# KiCad board VFDSAO.kicad_pcb
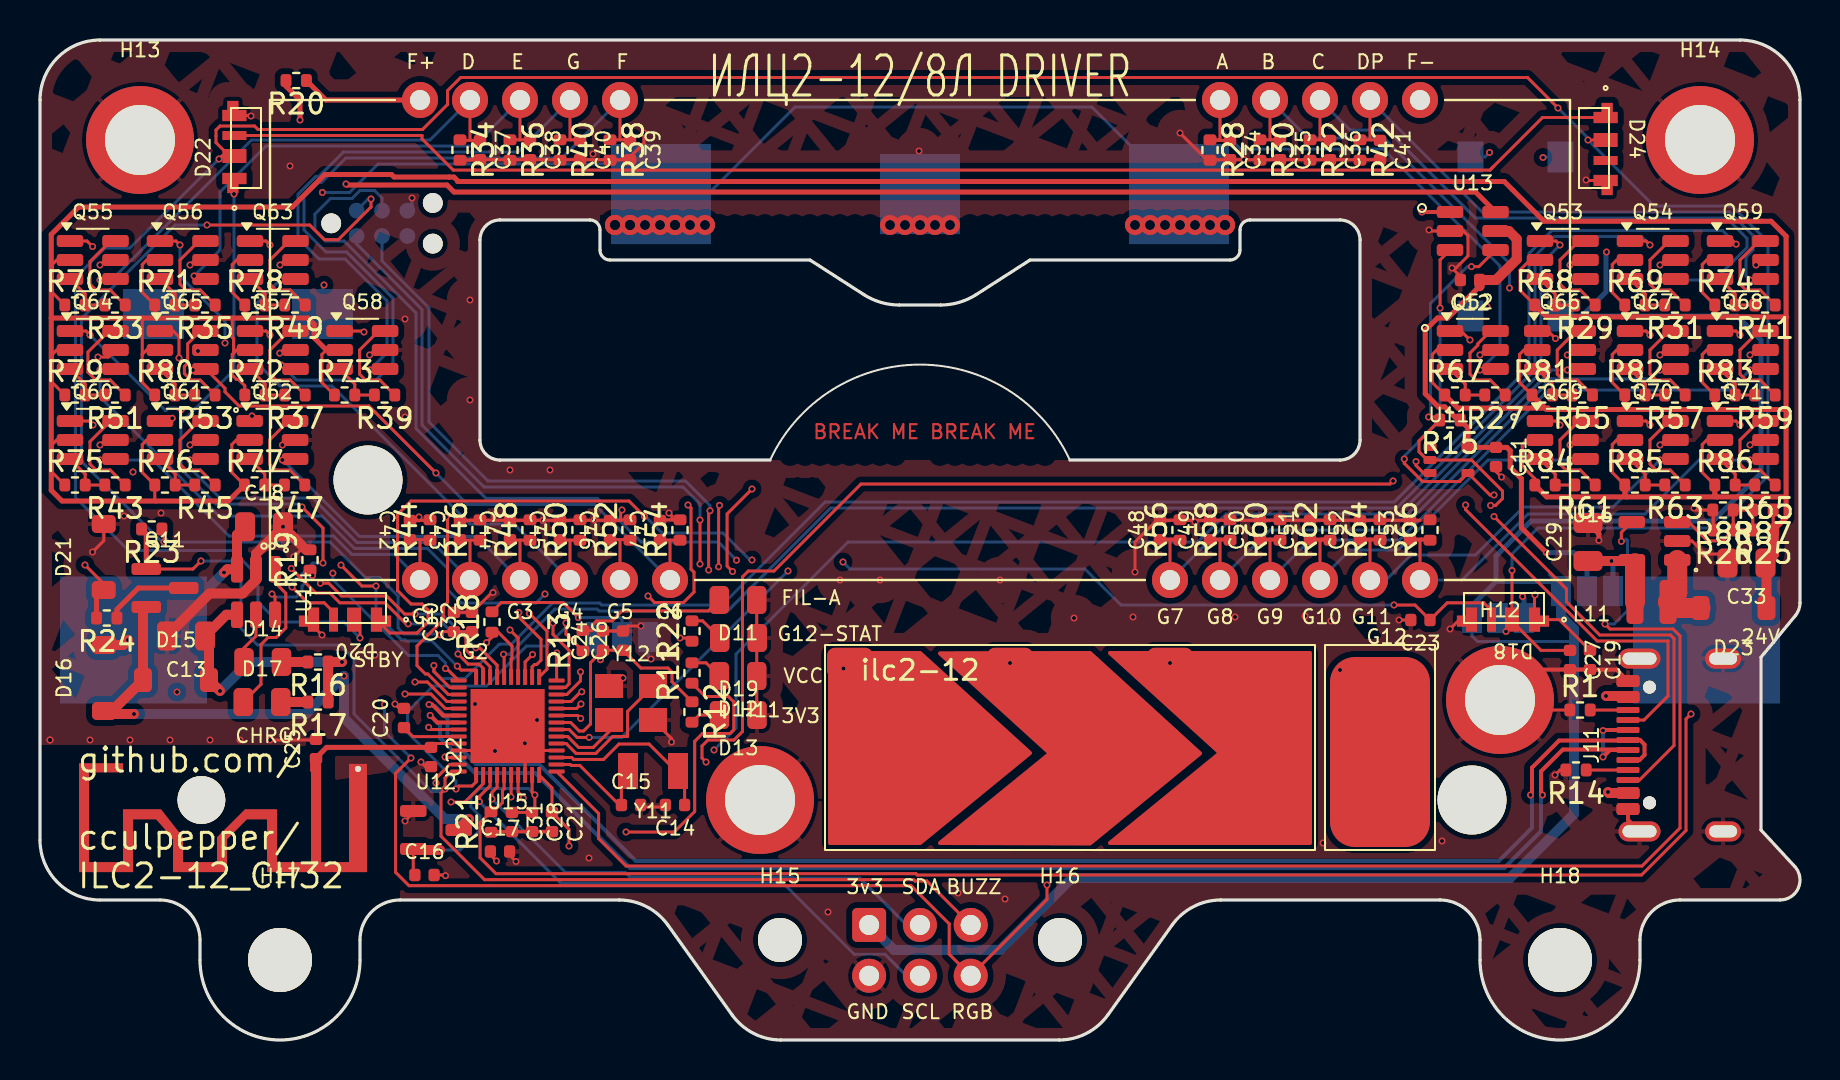
[diagram p0: board, top side]
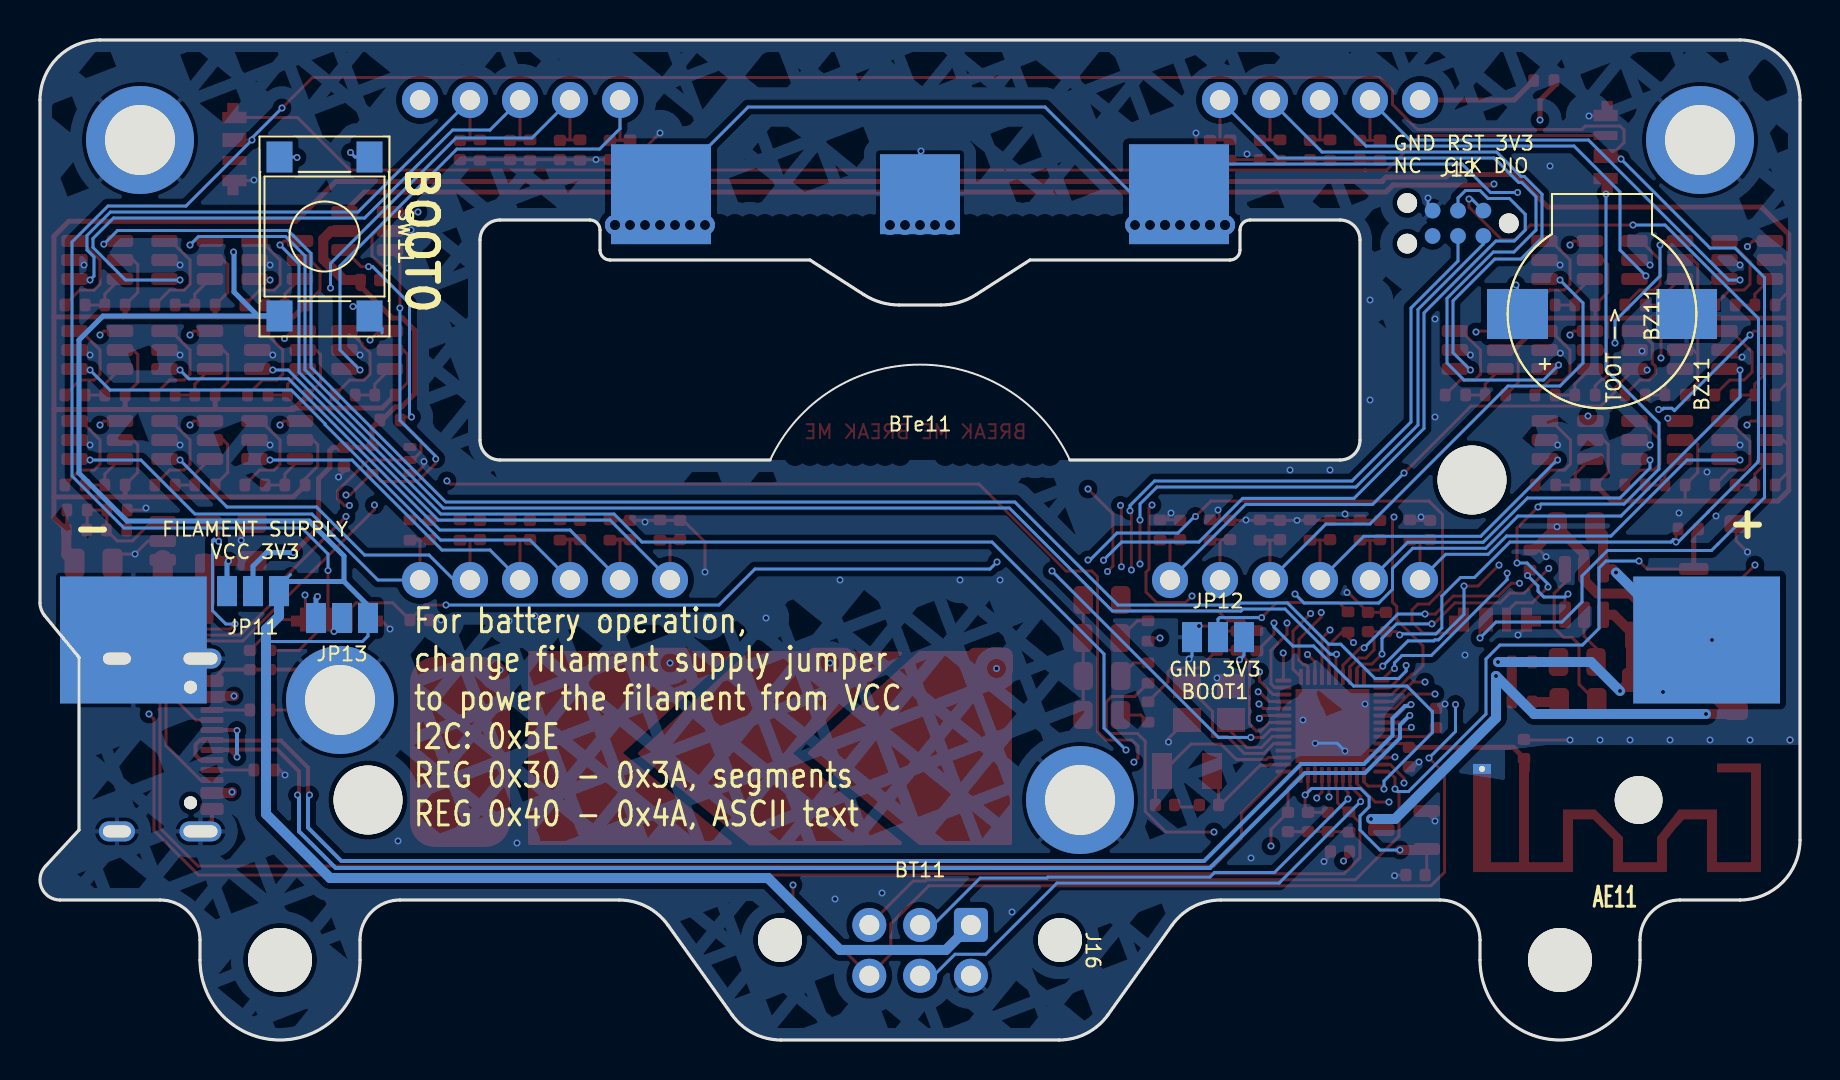
[diagram p1: board, bottom side, seen from below]

Outline 88 x 50 mm; copper layers: Top, In1.Cu, In2.Cu, Bottom. Coordinates in mm from the lower left corner of the outline.
Outline path: 0,47 0,10 arc(0.88,7.88) 3,7 6,7 arc(7.41,6.41) 8,5 8,4 arc(12,0) 16,4 16,5 arc(16.59,6.41) 18,7 28.96,7 arc(30.33,6.67) 31.4,5.74 34.6,1.26 arc(35.67,0.33) 37.04,0 50.96,0 arc(52.33,0.33) 53.4,1.26 56.6,5.74 arc(57.67,6.67) 59.04,7 70,7 arc(71.41,6.41) 72,5 72,4 arc(76,0) 80,4 80,5 arc(80.59,6.41) 82,7 87,7 arc(87.92,7.6) 87.73,8.68 86.05,10.5 86.05,19.14 87.77,21.22 arc(87.94,21.52) 88,21.86 88,47 arc(87.12,49.12) 85,50 3,50 arc(0.88,49.12) 0,47 ; 22,40 arc(22.29,40.71) 23,41 27.5,41 arc(27.85,40.85) 28,40.5 28,39.5 arc(28.15,39.15) 28.5,39 38.5,39 41.19,37.27 arc(42.04,36.88) 42.96,36.75 45.04,36.75 arc(45.96,36.88) 46.81,37.27 49.5,39 59.5,39 arc(59.85,39.15) 60,39.5 60,40.5 arc(60.15,40.85) 60.5,41 65,41 arc(65.71,40.71) 66,40 66,30 arc(65.71,29.29) 65,29 51.49,29 arc(44,33.77) 36.51,29 23,29 arc(22.29,29.29) 22,30 22,40
Stack: Top 0.035mm / dielectric 0.1mm FR4 er 4.5 / In1.Cu 0.035mm / dielectric 1.24mm FR4 er 4.5 / In2.Cu 0.035mm / dielectric 0.1mm FR4 er 4.5 / Bottom 0.035mm

## Placement (name value [footprint] x y rotation side)
AE11  Antenna  [Texas_SWRA117Dmodified]  13.8 12.88 0 bottom
BT11  Battery  [BatteryHolder_Keystone_1042_1x18650]  44 20 0 bottom  (not fitted)
BTe11  ~  [BatteryHolder_Multicomp_BC-2001_1x2032]  44 42.29 180 bottom
BZ11  Buzzer  [9032]  9.9 36.3 90 bottom  (not fitted)
C11  100nF  [C_0402_1005Metric]  72.8 29.15 270 top
C12  100nF  [C_0402_1005Metric]  71.5 38 180 top
C13  10uF 50V  [C_0805_2012Metric]  7.3 20.2 180 top
C14  12pF  [C_0402_1005Metric]  31.75 11.75 180 top
C15  12pF  [C_0402_1005Metric]  29.55 11.75 0 top
C16  1uF  [C_0402_1005Metric]  19.22 8.25 0 top
C17  1uF  [C_0402_1005Metric]  23 9.42 0 top
C18  10uF 50V  [C_0805_2012Metric]  11.2 25.66 0 top
C19  1nF  [C_0402_1005Metric]  77.5 19 270 top
C20  1uF  [C_0402_1005Metric]  18.2 16.1 90 top
C21  100nF  [C_0402_1005Metric]  25.6 10.9 270 top
C22  1pf  [C_0402_1005Metric]  19.55 14.15 270 top
C23  1nF  [C_0402_1005Metric]  69.02 21 180 top
C24  100nF  [C_0402_1005Metric]  28.15 19.97 90 top
C25  1pf  [C_0402_1005Metric]  13.8 14.55 90 top
C26  100nF  [C_0402_1005Metric]  29.15 19.97 90 top
C27  1nF  [C_0402_1005Metric]  76.5 19 270 top
C28  100nF  [C_0402_1005Metric]  24.6 10.9 270 top
C29  10uF 50V  [C_0805_2012Metric]  77.4 24.9 90 top
C30  100nF  [C_0402_1005Metric]  20.7 20.9 90 top
C31  100nF  [C_0402_1005Metric]  23.6 10.9 270 top
C32  100nF  [C_0402_1005Metric]  21.6 20.9 90 top
C33  10uF 50V  [C_0805_2012Metric]  85.32 23.85 180 top
C34  1nF  [C_0402_1005Metric]  59.5 44.5 270 top
C35  1nF  [C_0402_1005Metric]  62 44.5 270 top
C36  1nF  [C_0402_1005Metric]  64.5 44.5 270 top
C37  1nF  [C_0402_1005Metric]  22 44.5 270 top
C38  1nF  [C_0402_1005Metric]  24.5 44.5 270 top
C39  1nF  [C_0402_1005Metric]  29.5 44.5 270 top
C40  1nF  [C_0402_1005Metric]  27 44.5 270 top
C41  1nF  [C_0402_1005Metric]  67 44.5 270 top
C42  1nF  [C_0402_1005Metric]  18.5 25.5 90 top
C43  1nF  [C_0402_1005Metric]  21 25.5 90 top
C44  1nF  [C_0402_1005Metric]  23.5 25.5 90 top
C45  1nF  [C_0402_1005Metric]  26 25.5 90 top
C46  1nF  [C_0402_1005Metric]  28.5 25.5 90 top
C47  1nF  [C_0402_1005Metric]  31 25.5 90 top
C48  1nF  [C_0402_1005Metric]  56 25.5 90 top
C49  1nF  [C_0402_1005Metric]  58.5 25.5 90 top
C50  1nF  [C_0402_1005Metric]  61 25.5 90 top
C51  1nF  [C_0402_1005Metric]  63.5 25.5 90 top
C52  1nF  [C_0402_1005Metric]  66 25.5 90 top
C53  1nF  [C_0402_1005Metric]  68.5 25.5 90 top
D11  RED  [LED_0805_2012Metric]  34.9 22 180 top
D12  RED  [LED_0805_2012Metric]  34.9 18.2 180 top
D13  RED  [LED_0805_2012Metric]  34.91 16.25 180 top
D14  GREEN  [LED_0805_2012Metric]  11.14 18.9 0 top
D15  D  [D_SOD-123]  6.8 18 0 top
D16  D  [D_SOD-123]  3.2 18.1 90 top
D17  RED  [LED_0805_2012Metric]  11.1 16.9 0 top
D18  IN-PI42TASPRPGPB  [LED_IN-PI42TASPRPGPB]  73.2 21.6 180 top
D19  RED  [LED_0805_2012Metric]  34.92 20.1 180 top
D20  IN-PI42TASPRPGPB  [LED_IN-PI42TASPRPGPB]  15.3 21.6 180 top
D21  D  [D_SOD-123]  3.19 24.15 90 top
D22  IN-PI42TASPRPGPB  [LED_IN-PI42TASPRPGPB]  10.3 44.6 90 top
D23  D  [D_SOD-123]  84.68 21.6 180 top
D24  IN-PI42TASPRPGPB  [LED_IN-PI42TASPRPGPB]  77.7 44.6 270 top
D25  -  [ilc2-12]  44 35 0 top
H11  ~  [m2.5SMT]  36 12 0 top
H12  ~  [m2.5SMT]  73 17 0 top
H13  ~  [m2.5SMT]  5 45 0 top
H14  ~  [m2.5SMT]  83 45 0 top
H15  MountingHole  [MountingHole_2.2mm_M2]  37 5 0 top  (not fitted)
H16  MountingHole  [MountingHole_2.2mm_M2]  51 5 0 top  (not fitted)
H17  MountingHole  [MountingHole_3.2mm_M3]  12 4 0 top  (not fitted)
H18  MountingHole  [MountingHole_3.2mm_M3]  76 4 0 top  (not fitted)
J11  USB_C_Receptacle  [USB_C_Receptacle_GCT_USB4105-xx-A_16P_TopMnt_Horizontal]  83.08 14.75 90 top
J12  Conn_ARM_SWD_TagConnect_TC2030-NL  [Tag-Connect_TC2030-IDC-NL_2x03_P1.27mm_Vertical]  17.1 40.83 0 bottom
J14  SLIDE  [Slider]  39.5 9.85 0 top  (not fitted)
J15  BUTT  [touchButton]  64.5 9.9 0 top  (not fitted)
J16  Conn_02x03_Odd_Even  [IDC-Header_2x03_P2.54mm_Vertical]  41.45 5.75 270 bottom
JP11  Jumper_3_Bridged12  [SolderJumper-3_P1.3mm_Bridged12_Pad1.0x1.5mm]  77.35 22.44 0 bottom
JP12  BOOT1  [SolderJumper-3_P1.3mm_Bridged12_Pad1.0x1.5mm]  29.1 20.14 180 bottom  (not fitted)
JP13  Jumper_3_Bridged12  [SolderJumper-3_P1.3mm_Bridged12_Pad1.0x1.5mm]  72.9 21.1 0 bottom
L11  L  [L_APV_ANR252010]  80.57 21.9 0 top
Q11  AO3401A  [SOT-23]  6.25 22.6 0 top
Q52  DMC3071LVT  [SOT-23-6]  71.64 34.5 0 top
Q53  DMC3071LVT  [SOT-23-6]  76.14 39 0 top
Q54  DMC3071LVT  [SOT-23-6]  80.64 39 0 top
Q55  DMC3071LVT  [SOT-23-6]  2.64 39 0 top
Q56  DMC3071LVT  [SOT-23-6]  7.14 39 0 top
Q57  DMC3071LVT  [SOT-23-6]  11.64 34.5 0 top
Q58  DMC3071LVT  [SOT-23-6]  16.12 34.5 0 top
Q59  DMC3071LVT  [SOT-23-6]  85.14 39 0 top
Q60  DMC3071LVT  [SOT-23-6]  2.64 30 0 top
Q61  DMC3071LVT  [SOT-23-6]  7.14 30 0 top
Q62  DMC3071LVT  [SOT-23-6]  11.62 30 0 top
Q63  DMC3071LVT  [SOT-23-6]  11.64 39 0 top
Q64  DMC3071LVT  [SOT-23-6]  2.64 34.5 0 top
Q65  DMC3071LVT  [SOT-23-6]  7.13 34.5 0 top
Q66  DMC3071LVT  [SOT-23-6]  76 34.5 0 top
Q67  DMC3071LVT  [SOT-23-6]  80.64 34.5 0 top
Q68  DMC3071LVT  [SOT-23-6]  85.14 34.5 0 top
Q69  DMC3071LVT  [SOT-23-6]  76.14 30 0 top
Q70  DMC3071LVT  [SOT-23-6]  80.64 30 0 top
Q71  DMC3071LVT  [SOT-23-6]  85.14 30 0 top
R1  5.1K  [R_0402_1005Metric]  77 16.5 0 top
R11  1K  [R_0402_1005Metric]  32.6 18.35 90 top
R12  1K  [R_0402_1005Metric]  32.6 16.4 270 top
R13  1K  [R_0402_1005Metric]  27.15 19.96 90 top
R14  5.1K  [R_0402_1005Metric]  76.8 13.5 180 top
R15  10K  [R_0402_1005Metric]  70.5 31 180 top
R16  1K  [R_0402_1005Metric]  13.9 18.9 180 top
R17  1K  [R_0402_1005Metric]  13.9 16.9 180 top
R18  10K  [R_0402_1005Metric]  22.6 20.9 90 top
R19  2K  [R_0402_1005Metric]  13.5 24 90 top
R20  47  [R_0402_1005Metric]  12.81 47.97 180 top
R21  10K  [R_0402_1005Metric]  22.55 10.9 90 top
R22  1K  [R_0402_1005Metric]  32.6 20.45 90 top
R23  10K  [R_0402_1005Metric]  5.59 25.55 180 top
R24  47  [R_0402_1005Metric]  3.34 21.1 180 top
R25  200K  [R_0402_1005Metric]  86.18 25.5 180 top
R26  22K  [R_0402_1005Metric]  84.18 25.5 180 top
R27  10K  [R_0402_1005Metric]  72.75 32.25 180 top
R28  100K  [R_0402_1005Metric]  58.5 44.5 270 top
R29  10K  [R_0402_1005Metric]  77.25 36.75 180 top
R30  100K  [R_0402_1005Metric]  61 44.5 270 top
R31  10K  [R_0402_1005Metric]  81.75 36.75 180 top
R32  100K  [R_0402_1005Metric]  63.5 44.5 270 top
R33  10K  [R_0402_1005Metric]  3.75 36.75 180 top
R34  100K  [R_0402_1005Metric]  21 44.5 270 top
R35  10K  [R_0402_1005Metric]  8.25 36.75 180 top
R36  100K  [R_0402_1005Metric]  23.5 44.5 270 top
R37  10K  [R_0402_1005Metric]  12.75 32.25 180 top
R38  100K  [R_0402_1005Metric]  28.5 44.5 270 top
R39  10K  [R_0402_1005Metric]  17.23 32.25 180 top
R40  100K  [R_0402_1005Metric]  26 44.5 270 top
R41  10K  [R_0402_1005Metric]  86.25 36.75 180 top
R42  100K  [R_0402_1005Metric]  66 44.5 270 top
R43  10K  [R_0402_1005Metric]  3.75 27.75 180 top
R44  100K  [R_0402_1005Metric]  19.5 25.5 90 top
R45  10K  [R_0402_1005Metric]  8.25 27.75 180 top
R46  100K  [R_0402_1005Metric]  22 25.5 90 top
R47  10K  [R_0402_1005Metric]  12.73 27.75 180 top
R48  100K  [R_0402_1005Metric]  24.5 25.5 90 top
R49  10K  [R_0402_1005Metric]  12.75 36.75 180 top
R50  100K  [R_0402_1005Metric]  27 25.5 90 top
R51  10K  [R_0402_1005Metric]  3.75 32.25 180 top
R52  100K  [R_0402_1005Metric]  29.5 25.5 90 top
R53  10K  [R_0402_1005Metric]  8.25 32.25 180 top
R54  100K  [R_0402_1005Metric]  32 25.5 90 top
R55  10K  [R_0402_1005Metric]  77.11 32.25 180 top
R56  100K  [R_0402_1005Metric]  57 25.5 90 top
R57  10K  [R_0402_1005Metric]  81.75 32.25 180 top
R58  100K  [R_0402_1005Metric]  59.5 25.5 90 top
R59  10K  [R_0402_1005Metric]  86.25 32.25 180 top
R60  100K  [R_0402_1005Metric]  62 25.5 90 top
R61  10K  [R_0402_1005Metric]  77.25 27.75 180 top
R62  100K  [R_0402_1005Metric]  64.5 25.5 90 top
R63  10K  [R_0402_1005Metric]  81.75 27.75 180 top
R64  100K  [R_0402_1005Metric]  67 25.5 90 top
R65  10K  [R_0402_1005Metric]  86.25 27.75 180 top
R66  100K  [R_0402_1005Metric]  69.5 25.5 90 top
R67  5.1K  [R_0402_1005Metric]  70.75 32.25 0 top
R68  5.1K  [R_0402_1005Metric]  75.25 36.75 0 top
R69  5.1K  [R_0402_1005Metric]  79.75 36.75 0 top
R70  5.1K  [R_0402_1005Metric]  1.75 36.75 0 top
R71  5.1K  [R_0402_1005Metric]  6.25 36.75 0 top
R72  5.1K  [R_0402_1005Metric]  10.75 32.25 0 top
R73  5.1K  [R_0402_1005Metric]  15.23 32.25 0 top
R74  5.1K  [R_0402_1005Metric]  84.25 36.75 0 top
R75  5.1K  [R_0402_1005Metric]  1.75 27.75 0 top
R76  5.1K  [R_0402_1005Metric]  6.25 27.75 0 top
R77  5.1K  [R_0402_1005Metric]  10.73 27.75 0 top
R78  5.1K  [R_0402_1005Metric]  10.75 36.75 0 top
R79  5.1K  [R_0402_1005Metric]  1.75 32.25 0 top
R80  5.1K  [R_0402_1005Metric]  6.24 32.25 0 top
R81  5.1K  [R_0402_1005Metric]  75.11 32.25 0 top
R82  5.1K  [R_0402_1005Metric]  79.75 32.25 0 top
R83  5.1K  [R_0402_1005Metric]  84.25 32.25 0 top
R84  5.1K  [R_0402_1005Metric]  75.25 27.75 0 top
R85  5.1K  [R_0402_1005Metric]  79.75 27.75 0 top
R86  5.1K  [R_0402_1005Metric]  84.25 27.75 0 top
R87  DNP  [R_0402_1005Metric]  86.15 26.5 180 top  (not fitted)
R88  22K  [R_0402_1005Metric]  84.15 26.5 180 top
SW11  SW_Push  [SW_Push_1P1T_NO_6x6mm_H9.5mm]  73.78 40.17 270 bottom  (not fitted)
U11  74AHCT1G14  [SOT-353_SC-70-5]  70.45 29 0 top
U12  XC6206PxxxMR  [SOT-23-3]  19.8 10.5 0 top
U13  FM116B  [SOT-23-6]  71.64 40.45 0 top
U14  TP4057  [TSOT-23-6]  10.8 22.4 270 top
U15  CH32V208CBU6  [QFN-48-1EP_5x5mm_P0.35mm_EP3.7x3.7mm]  23.38 15.7 180 top
U16  LGS6302B5  [SOT-23-5]  80.72 24.95 180 top
Y11  Crystal  [Crystal_SMD_3215-2Pin_3.2x1.5mm]  30.65 13.45 180 top
Y12  32MHz  [Crystal_SMD_3225-4Pin_3.2x2.5mm]  29.55 16.85 0 top

## Library data of the parts
AE11 = -: Description: Antenna with extra pin for shielding
BT11 = -: Description: Multiple-cell battery
BTe11 = -: Description: Single-cell battery
BZ11 = -: Description: Buzzer, polarized; ki_fp_filters: *Buzzer*
C11 C12 C21 C24 C26 C28 C30-C32 = -: Description: Unpolarized capacitor; LCSC: C307331; ki_fp_filters: C_*
C13 C18 C29 C33 = -: Description: Unpolarized capacitor; LCSC: C440198; ki_fp_filters: C_*
C14 C15 = -: Description: Unpolarized capacitor; LCSC: C1547; ki_fp_filters: C_*
C16 C17 C20 = -: Description: Unpolarized capacitor; LCSC: C52923; ki_fp_filters: C_*
C19 C23 C27 C34-C53 = -: Description: Unpolarized capacitor; LCSC: C1523; ki_fp_filters: C_*
C22 C25 = -: Description: Unpolarized capacitor; LCSC: C1550; ki_fp_filters: C_*
D11-D13 D17 D19 = -: Description: Light emitting diode; LCSC: C84256; ki_fp_filters: LED* LED_SMD:* LED_THT:*
D14 = -: Description: Light emitting diode; LCSC: C2297; ki_fp_filters: LED* LED_SMD:* LED_THT:*
D15 D16 D21 D23 = -: Description: Diode; Sim.Pins: 1=K 2=A; LCSC: C8598; ki_fp_filters: TO-???* *_Diode_* *SingleDiode* D_*
D18 D20 D22 D24 = -: PARTREV: Oct. 10, 2021; STANDARD: Manufacturer Recommendations; MAXIMUM_PACKAGE_HEIGHT: 2.05 mm; MANUFACTURER: Inolux; LCSC: C524054
H11-H14 = -: Description: Mounting Hole with connection; ki_fp_filters: MountingHole*Pad*
H15-H18 = -: Description: Mounting Hole without connection; ki_fp_filters: MountingHole*
J11 = -: Datasheet: https://www.usb.org/sites/default/files/documents/usb_type-c.zip; Description: USB Full-Featured Type-C Receptacle connector; LCSC: C393939; ki_fp_filters: USB*C*Receptacle*
J12 = -: Datasheet: https://www.tag-connect.com/wp-content/uploads/bsk-pdf-manager/TC2030-CTX_1.pdf; Description: Tag-Connect ARM Cortex SWD JTAG connector, 6 pin, no legs; ki_fp_filters: *TC2030*
J14 = -: Description: Generic connector, single row, 01x03, script generated; ki_fp_filters: Connector*:*_1x??_*
J15 = -: Description: Generic connector, single row, 01x01, script generated; ki_fp_filters: Connector*:*_1x??_*
J16 = -: Description: Generic connector, double row, 02x03, odd/even pin numbering scheme (row 1 odd numbers, row 2 even numbers), script generated (kicad-library-utils/schlib/autogen/connector/); ki_fp_filters: Connector*:*_2x??_*
JP11-JP13 = -: Description: Jumper, 3-pole, pins 1+2 closed/bridged; ki_fp_filters: Jumper* TestPoint*3Pads* TestPoint*Bridge*
L11 = -: Description: Inductor; LCSC: C19267877; ki_fp_filters: Choke_* *Coil* Inductor_* L_*
Q11 = -: Datasheet: http://www.aosmd.com/pdfs/datasheet/AO3401A.pdf; Description: -4.0A Id, -30V Vds, P-Channel MOSFET, SOT-23; LCSC: C15127; ki_fp_filters: SOT?23*
Q52-Q71 = -: Datasheet: https://www.diodes.com/assets/Datasheets/DMC3071LVT.pdf; Description: 3.4A/-2.7A Id, 30V Vds, Complementary pair enhancement mode P-Channel and N-Channel MOSFET, TSOT-23-6; LCSC: C18221386; ki_fp_filters: TSOT?23*
R1 R14 R67-R86 = -: Description: Resistor; LCSC: C25905; ki_fp_filters: R_*
R11-R13 R16 R17 R22 = -: Description: Resistor; LCSC: C11702; ki_fp_filters: R_*
R15 = -: LCSC: C25744; ki_fp_filters: R_*
R18 R21 R23 R27 R29 R31 R33 R35 R37 R39 R41 R43 R45 R47 R49 R51 R53 R55 R57 R59 R61 R63 R65 = -: Description: Resistor; LCSC: C25744; ki_fp_filters: R_*
R19 = -: Description: Resistor; LCSC: C4109; ki_fp_filters: R_*
R20 R24 = -: LCSC: C1096; ki_fp_filters: R_*
R25 = -: Description: Resistor; LCSC: C25764; ki_fp_filters: R_*
R26 R88 = -: Description: Resistor; LCSC: C25768; ki_fp_filters: R_*
R28 R30 R32 R34 R36 R38 R40 R42 R44 R46 R48 R50 R52 R54 R56 R58 R60 R62 R64 R66 = -: Description: Resistor; LCSC: C25741; ki_fp_filters: R_*
R87 = -: Description: Resistor; ki_fp_filters: R_*
SW11 = -: Description: Push button switch, generic, two pins
U11 = -: Datasheet: http://www.ti.com/lit/sg/scyt129e/scyt129e.pdf; LCSC: C460501; ki_fp_filters: SOT* SG-*
U12 = -: Datasheet: https://www.torexsemi.com/file/xc6206/XC6206.pdf; Description: Positive 60-250mA Low Dropout Regulator, Fixed Output, SOT-23; LCSC: C5446; ki_fp_filters: SOT?23?3*
U13 = -: Datasheet: https://datasheet.lcsc.com/szlcsc/Shenzhen-Fuman-Elec-FM116B_C190601.pdf; LCSC: C2802264; ki_fp_filters: DIP*W7.62mm* SOIC*3.9x4.9mm*P1.27mm*
U14 = -: Datasheet: http://toppwr.com/uploadfile/file/20230304/640302a47b738.pdf; Description: Constant-current/constant-voltage linear charger for single cell lithium-ion batteries with 2.9V Trickle Charge, 4.5V to 6.5V VDD, -40 to +85 degree Celsius, TSOT-23-5; LCSC: C12044; ki_fp_filters: TSOT?23*
U15 = -: Datasheet: https://www.wch-ic.com/downloads/CH32V208DS0_PDF.html; Description: RISC-V BLE5.3 MCU, 2*USB, CAN; LCSC: C5713556
U16 = -: Datasheet: https://datasheet.lcsc.com/lcsc/2304071430_Legend-Si-LGS6302_C5123975.pdf; Description: 1.5A, 1.2MHz Boost DC/DC Converter, adjustable 3-60V output voltage, SOT-23-5; LCSC: C5123975; ki_fp_filters: SOT?23*
Y11 = -: Description: Two pin crystal; LCSC: C32346; ki_fp_filters: Crystal*
Y12 = -: Description: Four pin crystal, GND on pins 2 and 4; LCSC: C164054; ki_fp_filters: Crystal*

## Footprints (pads in the part's own frame, mm; a bottom-side part is the same pattern mirrored in y, then rotated)
9032
  rect 2.5x3.05 smd: 1(0,4.225) 2(0,-4.225)
BatteryHolder_Keystone_1042_1x18650
  round 2.39 hole 2.39 unplated: (-35.93,8)
  round 3.45 hole 3.45 unplated: (-27.6,-8) (27.6,8)
  rect 7.34x6.35 smd: 1(-39.33,0) 2(39.33,0)
BatteryHolder_Multicomp_BC-2001_1x2032
  rect 5x5 smd: 1(-12.95,0) 1(12.95,0)
  rect 4x4 smd: 2(0,0)
C_0402_1005Metric
  rrect 0.56x0.62 smd: 1(-0.48,0) 2(0.48,0)
C_0805_2012Metric
  rrect 1x1.45 smd: 1(-0.95,0) 2(0.95,0)
Crystal_SMD_3215-2Pin_3.2x1.5mm
  rect 1x1.8 smd: 1(1.25,0) 2(-1.25,0)
Crystal_SMD_3225-4Pin_3.2x2.5mm
  rect 1.4x1.2 smd: 1(-1.1,-0.85) 2(1.1,-0.85) 3(1.1,0.85) 4(-1.1,0.85)
D_SOD-123
  rrect 0.9x1.2 smd: 1(-1.65,0) 2(1.65,0)
IDC-Header_2x03_P2.54mm_Vertical
  rrect 1.7x1.7 hole 1: 1(0,0)
  round 1.7 hole 1: 2(2.54,0) 3(0,-2.54) 4(2.54,-2.54) 5(0,-5.08) 6(2.54,-5.08)
ilc2-12
  round 1.8 hole 1: 1(-25,12) 2(-22.5,12) 3(-20,12) 4(-17.5,12) 5(-15,12) 6(15,12) 7(17.5,12) 8(20,12) 9(22.5,12) 10(25,12) 11(25,-12) 12(22.5,-12) 13(20,-12) 14(17.5,-12) 15(15,-12) 16(12.5,-12) 17(-12.5,-12) 18(-15,-12) 19(-17.5,-12) 20(-20,-12) 21(-22.5,-12) 22(-25,-12)
L_APV_ANR252010
  rrect 0.85x2.2 smd: 1(-0.825,0) 2(0.825,0)
LED_0805_2012Metric
  rrect 0.975x1.4 smd: 1(-0.938,0) 2(0.938,0)
LED_IN-PI42TASPRPGPB
  custom 1.01x1.21 smd: 1(-1.525,0.58) 4(1.625,0.58)
  rect 0.7x1.2 smd: 2(-0.4,0.58)
  rect 0.45x1.2 smd: 3(0.625,0.58)
m2.5SMT
  round 5.4 hole 3.5: 1(0,0)
MountingHole_2.2mm_M2
  round 2.2 hole 2.2 unplated: (0,0)
MountingHole_3.2mm_M3
  round 3.2 hole 3.2 unplated: (0,0)
QFN-48-1EP_5x5mm_P0.35mm_EP3.7x3.7mm
  rrect 0.99x0.99 smd: (-1.23,1.23) (-1.23,0) (-1.23,-1.23) (0,1.23) (0,0) (0,-1.23) (1.23,1.23) (1.23,0) (1.23,-1.23)
  rrect 0.8x0.2 smd: 1(-2.45,2.275) 2(-2.45,1.925) 3(-2.45,1.575) 4(-2.45,1.225) 5(-2.45,0.875) 6(-2.45,0.525) 7(-2.45,0.175) 8(-2.45,-0.175) 9(-2.45,-0.525) 10(-2.45,-0.875) 11(-2.45,-1.225) 12(-2.45,-1.575) 13(-2.45,-1.925) 14(-2.45,-2.275) 25(2.45,-2.275) 26(2.45,-1.925) 27(2.45,-1.575) 28(2.45,-1.225) 29(2.45,-0.875) 30(2.45,-0.525) 31(2.45,-0.175) 32(2.45,0.175) 33(2.45,0.525) 34(2.45,0.875) 35(2.45,1.225) 36(2.45,1.575) 37(2.45,1.925) 38(2.45,2.275)
  rrect 0.2x0.8 smd: 15(-1.575,-2.45) 16(-1.225,-2.45) 17(-0.875,-2.45) 18(-0.525,-2.45) 19(-0.175,-2.45) 20(0.175,-2.45) 21(0.525,-2.45) 22(0.875,-2.45) 23(1.225,-2.45) 24(1.575,-2.45) 39(1.575,2.45) 40(1.225,2.45) 41(0.875,2.45) 42(0.525,2.45) 43(0.175,2.45) 44(-0.175,2.45) 45(-0.525,2.45) 46(-0.875,2.45) 47(-1.225,2.45) 48(-1.575,2.45)
  rect 3.7x3.7 smd: 49(0,0)
R_0402_1005Metric
  rrect 0.54x0.64 smd: 1(-0.51,0) 2(0.51,0)
Slider
  rrect 2.286x1.524 smd: 1(1,9) 2(9,9) 3(17,9)
SolderJumper-3_P1.3mm_Bridged12_Pad1.0x1.5mm
  rect 1x1.5 smd: 1(-1.3,0) 2(0,0) 3(1.3,0)
SOT-23
  rrect 1.475x0.6 smd: 1(-0.938,0.95) 2(-0.938,-0.95) 3(0.938,0)
SOT-23-3
  rrect 1.325x0.6 smd: 1(-1.137,0.95) 2(-1.137,-0.95) 3(1.137,0)
SOT-23-5
  rrect 1.325x0.6 smd: 1(-1.137,0.95) 2(-1.137,0) 3(-1.137,-0.95) 4(1.137,-0.95) 5(1.137,0.95)
SOT-23-6
  rrect 1.325x0.6 smd: 1(-1.137,0.95) 2(-1.137,0) 3(-1.137,-0.95) 4(1.137,-0.95) 5(1.137,0) 6(1.137,0.95)
SOT-353_SC-70-5
  rrect 0.65x0.4 smd: 1(-0.95,0.65) 2(-0.95,0) 3(-0.95,-0.65) 4(0.95,-0.65) 5(0.95,0.65)
SW_Push_1P1T_NO_6x6mm_H9.5mm
  rect 1.55x1.3 smd: 1(-3.975,2.25) 1(3.975,2.25) 2(-3.975,-2.25) 2(3.975,-2.25)
Tag-Connect_TC2030-IDC-NL_2x03_P1.27mm_Vertical
  round 0.991 hole 0.991 unplated: (-2.54,0) (2.54,-1.016) (2.54,1.016)
  round 0.787 smd: 1(-1.27,-0.635) 2(-1.27,0.635) 3(0,-0.635) 4(0,0.635) 5(1.27,-0.635) 6(1.27,0.635)
Texas_SWRA117Dmodified
  rect 0.5x0.5 smd far side: 1(0,-0.68)
  rect 0.9x0.5 hole 0.3: 2(2.1,-0.68)
touchButton
  rrect 5x9.5 smd: 1(2.5,4.5)
TSOT-23-6
  rrect 1.325x0.6 smd: 1(-1.137,0.95) 2(-1.137,0) 3(-1.137,-0.95) 4(1.137,-0.95) 5(1.137,0) 6(1.137,0.95)
USB_C_Receptacle_GCT_USB4105-xx-A_16P_TopMnt_Horizontal
  round 0.65 hole 0.65 unplated: (-2.89,2.605) (2.89,2.605)
  rrect 0.6x1.15 smd: A1(-3.2,3.68) A4(-2.4,3.68) A9(2.4,3.68) A12(3.2,3.68) B1(3.2,3.68) B4(2.4,3.68) B9(-2.4,3.68) B12(-3.2,3.68)
  rrect 0.3x1.15 smd: A5(-1.25,3.68) A6(-0.25,3.68) A7(0.25,3.68) A8(1.25,3.68) B5(1.75,3.68) B6(0.75,3.68) B7(-0.75,3.68) B8(-1.75,3.68)
  oval 1x2.1 hole 0.6x1.7: S1(-4.32,3.105) S1(4.32,3.105)
  oval 1x1.8 hole 0.6x1.4: S1(-4.32,-1.075) S1(4.32,-1.075)
